# Altium PCB RK_NVR_DEMO1_RK3588_LP4XD200P232SD8_V21_20211228_final_lint.PcbDoc (part 1 of 29) (continued)
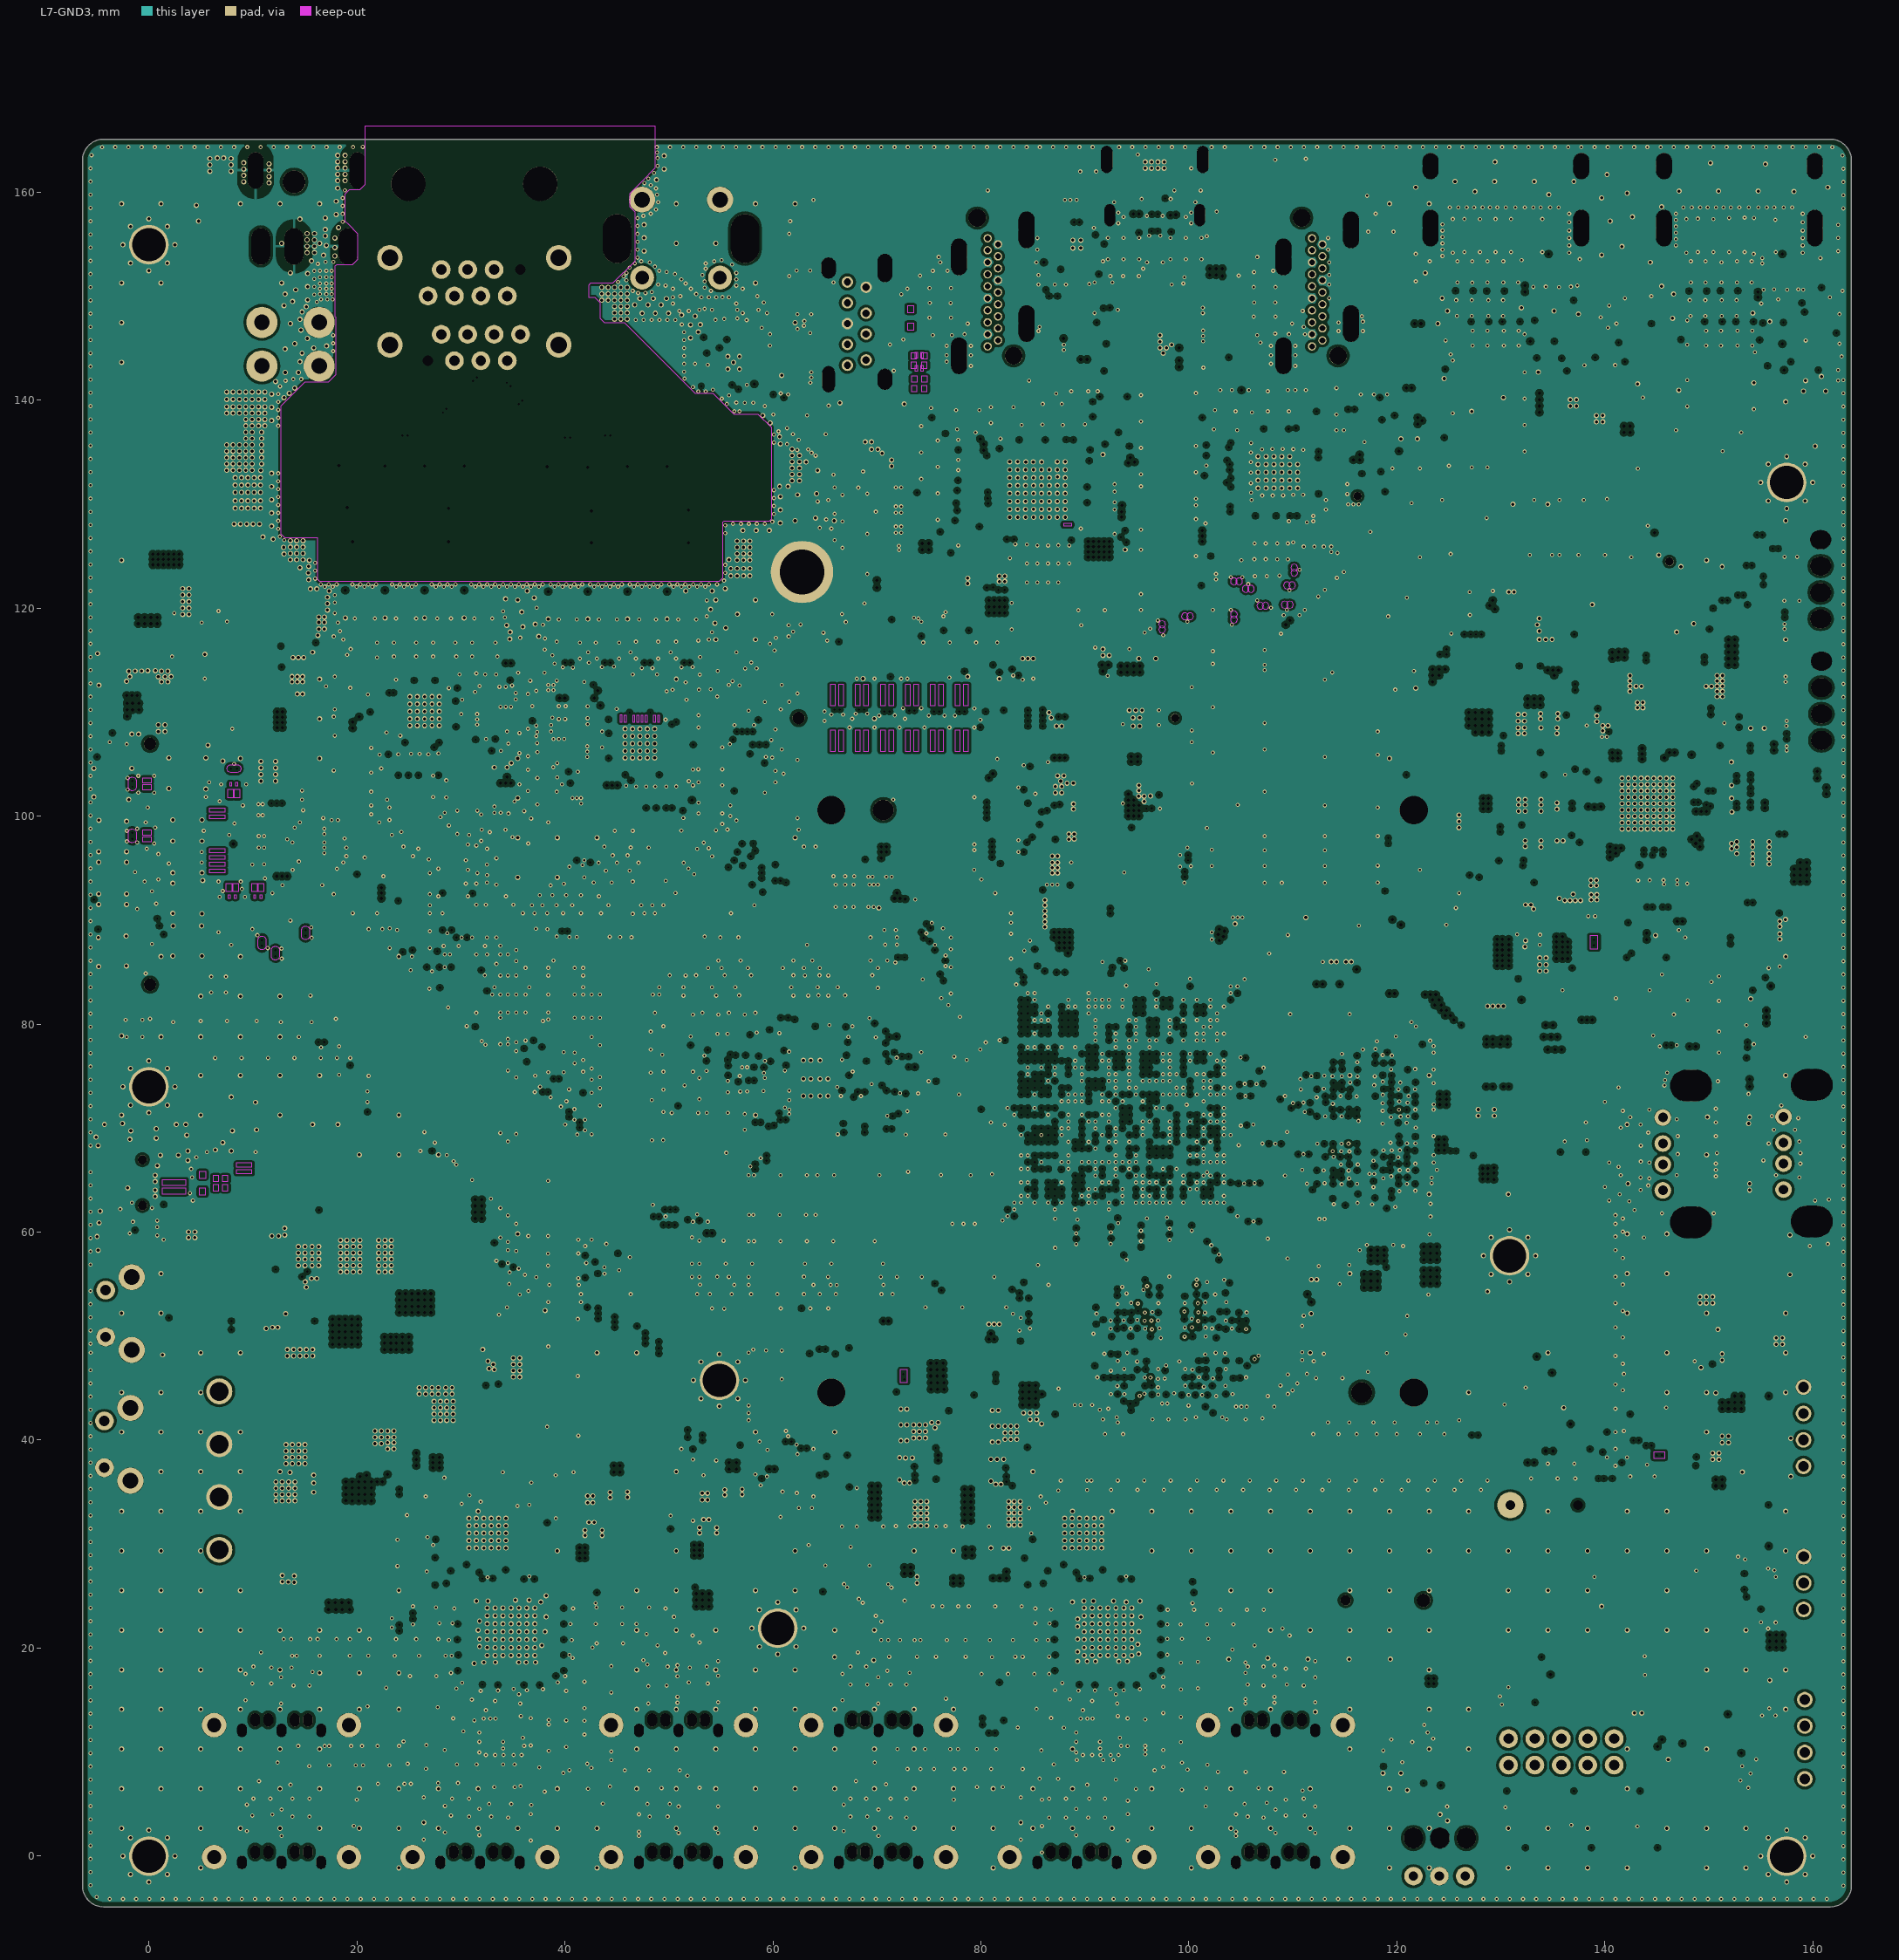
[diagram p7: L7-GND3]

## Layer stack, top to bottom
Top Solder: solder mask 0.0102, Solder Resist, Dk 3.5
TOP: signal copper 0.0305
Dielectric 1: core 0.0533, FR-4, Dk 4
L2-GND1: signal copper 0.016
Dielectric2: core 0.254, FR-4, Dk 4.2
L3-POWER1: signal copper 0.016
Dielectric3: core 0.635, FR-4, Dk 4
L4-S1: signal copper 0.016
Dielectric4: core 0.635, FR-4, Dk 4.2
L5-GND2: signal copper 0.016
Dielectric5: core 0.0762, FR-4, Dk 4
L6-S2: signal copper 0.016
Dielectric6: core 0.254, FR-4, Dk 4.2
L7-GND3: signal copper 0.016
Dielectric7: core 0.0533, FR-4, Dk 4
BOTTOM: signal copper 0.0305
Bottom Solder: solder mask 0.0102, Solder Resist, Dk 3.5

## Board outline
163.696,-2.849 cw(c161.664,-2.849) 161.664,-4.881 -4.35,-4.881 cw(c-4.35,-2.849) -6.382,-2.849 -6.382,163.063 cw(c-4.35,163.063) -4.35,165.095 161.664,165.095 cw(c161.664,163.063) 163.696,163.063

## Design rules (kind name [scope] priority, off if disabled: settings)
Clearance [All] p1: gap=0.254 ignorepadtopadclearanceinfootprint=FALSE
DiffPairsRouting [All] p1: maxlimit=0.254 minlimit=0.254 mostfreqgap=0.254 toplayer_minwidth=0.381 toplayer_maxwidth=0.381 toplayer_prefwidth=0.381 midlayer1_minwidth=0.381 midlayer1_maxwidth=0.381 midlayer1_prefwidth=0.381 midlayer2_minwidth=0.381 midlayer2_maxwidth=0.381 midlayer2_prefwidth=0.381 midlayer3_minwidth=0.381 midlayer3_maxwidth=0.381 midlayer3_prefwidth=0.381 midlayer4_minwidth=0.381 midlayer4_maxwidth=0.381 midlayer4_prefwidth=0.381 midlayer5_minwidth=0.381 midlayer5_maxwidth=0.381 midlayer5_prefwidth=0.381 midlayer6_minwidth=0.381 midlayer6_maxwidth=0.381 midlayer6_prefwidth=0.381 bottomlayer_minwidth=0.381 bottomlayer_maxwidth=0.381 bottomlayer_prefwidth=0.381 maxuncoupledlength=12.7
PlaneConnect [All] p1: planeconnectstyle=Direct reliefexpansion=0.508 reliefentries=4 reliefconductorwidth=0.254 reliefairgap=0.254
PolygonConnect [All] p1: connectstyle=Direct reliefconductorwidth=0.254 reliefentries=4 polygonreliefangle="90 Angle" airgapwidth=0.254
RoutingVias [All] p1: holewidth=0.711 width=1.27 viastyle="Through Hole" minholewidth=0.711 minwidth=1.27 maxholewidth=0.711 maxwidth=1.27
SolderMaskExpansion [All] p1: expansion=0.102 istentingtop=FALSE
Width [All] p1: maxlimit=0.254 minlimit=0.254 preferedwidth=0.254 impedanceprofiledriven=TRUE minimp=71.790000 maximp=96.310000 favimp=43.500000
28 further rules are at their usual default settings.

## Classes and differential pairs
net class GND: GND
net class DDR_DQS: DDR_CH0_DQS0N_A DDR_CH0_DQS0N_B DDR_CH0_DQS0P_A DDR_CH0_DQS0P_B DDR_CH0_DQS1N_A DDR_CH0_DQS1N_B DDR_CH0_DQS1P_A DDR_CH0_DQS1P_B DDR_CH1_DQS0N_C DDR_CH1_DQS0N_D DDR_CH1_DQS0P_C DDR_CH1_DQS0P_D DDR_CH1_DQS1N_C DDR_CH1_DQS1N_D DDR_CH1_DQS1P_C DDR_CH1_DQS1P_D
net class DDR-DIFF: DDR_CH0_CLKN_A DDR_CH0_CLKN_B DDR_CH0_CLKP_A DDR_CH0_CLKP_B DDR_CH1_CLKN_C DDR_CH1_CLKN_D DDR_CH1_CLKP_C DDR_CH1_CLKP_D
net class DDR: DDR_CH0_A0_A DDR_CH0_A0_B DDR_CH0_A1_A DDR_CH0_A1_B DDR_CH0_A2_A DDR_CH0_A2_B DDR_CH0_A3_A DDR_CH0_A3_B DDR_CH0_A4_A DDR_CH0_A4_B DDR_CH0_A5_A DDR_CH0_A5_B DDR_CH0_DM0_A DDR_CH0_DM0_B DDR_CH0_DM1_A DDR_CH0_DM1_B DDR_CH0_DQ0_A DDR_CH0_DQ0_B DDR_CH0_DQ1_A DDR_CH0_DQ1_B DDR_CH0_DQ2_A DDR_CH0_DQ2_B DDR_CH0_DQ3_A DDR_CH0_DQ3_B DDR_CH0_DQ4_A DDR_CH0_DQ4_B DDR_CH0_DQ5_A DDR_CH0_DQ5_B DDR_CH0_DQ6_A DDR_CH0_DQ6_B DDR_CH0_DQ7_A DDR_CH0_DQ7_B DDR_CH0_DQ8_A DDR_CH0_DQ8_B DDR_CH0_DQ9_A DDR_CH0_DQ9_B DDR_CH0_DQ10_A DDR_CH0_DQ10_B DDR_CH0_DQ11_A DDR_CH0_DQ11_B DDR_CH0_DQ12_A DDR_CH0_DQ12_B DDR_CH0_DQ13_A DDR_CH0_DQ13_B DDR_CH0_DQ14_A DDR_CH0_DQ14_B DDR_CH0_DQ15_A DDR_CH0_DQ15_B DDR_CH0_LP4/4X_CKE0/LP5_CS0_A DDR_CH0_LP4/4X_CKE0/LP5_CS0_B DDR_CH0_LP4/4X_CKE1/LP5_CS1_A DDR_CH0_LP4/4X_CKE1/LP5_CS1_B DDR_CH0_LP4/4X_CS0_A DDR_CH0_LP4/4X_CS0_B DDR_CH0_LP4/4X_CS1_A DDR_CH0_LP4/4X_CS1_B DDR_CH1_A0_C DDR_CH1_A0_D DDR_CH1_A1_C DDR_CH1_A1_D DDR_CH1_A2_C DDR_CH1_A2_D DDR_CH1_A3_C DDR_CH1_A3_D DDR_CH1_A4_C DDR_CH1_A4_D DDR_CH1_A5_C DDR_CH1_A5_D DDR_CH1_DM0_C DDR_CH1_DM0_D DDR_CH1_DM1_C DDR_CH1_DM1_D DDR_CH1_DQ0_C DDR_CH1_DQ0_D DDR_CH1_DQ1_C DDR_CH1_DQ1_D DDR_CH1_DQ2_C DDR_CH1_DQ2_D DDR_CH1_DQ3_C DDR_CH1_DQ3_D DDR_CH1_DQ4_C DDR_CH1_DQ4_D DDR_CH1_DQ5_C DDR_CH1_DQ5_D DDR_CH1_DQ6_C DDR_CH1_DQ6_D DDR_CH1_DQ7_C DDR_CH1_DQ7_D DDR_CH1_DQ8_C DDR_CH1_DQ8_D DDR_CH1_DQ9_C DDR_CH1_DQ9_D DDR_CH1_DQ10_C DDR_CH1_DQ10_D DDR_CH1_DQ11_C DDR_CH1_DQ11_D DDR_CH1_DQ12_C DDR_CH1_DQ12_D DDR_CH1_DQ13_C DDR_CH1_DQ13_D DDR_CH1_DQ14_C DDR_CH1_DQ14_D DDR_CH1_DQ15_C DDR_CH1_DQ15_D DDR_CH1_LP4/4X_CKE0/LP5_CS0_C DDR_CH1_LP4/4X_CKE0/LP5_CS0_D DDR_CH1_LP4/4X_CKE1/LP5_CS1_C DDR_CH1_LP4/4X_CKE1/LP5_CS1_D DDR_CH1_LP4/4X_CS0_C DDR_CH1_LP4/4X_CS0_D DDR_CH1_LP4/4X_CS1_C DDR_CH1_LP4/4X_CS1_D DDR_RESET
differential pair USB30_2_SSTX: +USB30_HOST2_SSTXN -USB30_HOST2_SSTXP
differential pair USB30_2_SSRX: +USB30_HOST2_SSRXN -USB30_HOST2_SSRXP
differential pair USB30_2_SSTX: +USB30_2_SSTXP -USB30_HOST2_SSTXN
differential pair USB30_2_SSTX: +USB30_2_SSTXN -USB30_2_SSTXP
differential pair USB30_2_SSRX: +USB30_2_SSRXP -USB30_HOST2_SSRXN
differential pair USB30_2_SSRX: +USB30_2_SSRXN -USB30_2_SSRXP
differential pair USB20_HOST1D: +USB20_HOST1DM -USB20_HOST1DP
differential pair USB20_HOST1D: +USB20_HOST1_DP -USB20_HOST1DM
differential pair USB20_HOST1D: +USB20_HOST1_DM -USB20_HOST1_DP
differential pair USB20_HOST0D: +USB20_HOST0DM -USB20_HOST0DP
differential pair USB20_HOST0D: +USB20_HOST0_DP -USB20_HOST0DM
differential pair USB20_HOST0D: +USB20_HOST0_DM -USB20_HOST0_DP
differential pair TYPEC1_USB20_HOST_D: +TYPEC1_USB20_OTG_DM -TYPEC1_USB20_OTG_DP
differential pair TYPEC1_USB20_HOST_D: +TYPEC1_USB20_HOST_DP -TYPEC1_USB20_OTG_DM
differential pair TYPEC1_USB20_HOST_D: +TYPEC1_USB20_HOST_DM -TYPEC1_USB20_HOST_DP
differential pair TYPEC0_USB20_HOST_D: +TYPEC0_USB20_OTG_DM -TYPEC0_USB20_OTG_DP
differential pair TYPEC0_SSTX2: +TYPEC0_TX2N -TYPEC0_TX2P
differential pair TYPEC0_SSTX1: +TYPEC0_TX1N -TYPEC0_TX1P
differential pair TYPEC0_SSTX2: +TYPEC0_SSTX2P -TYPEC0_TX2N
differential pair TYPEC0_SSTX2: +TYPEC0_SSTX2N -TYPEC0_SSTX2P
differential pair TYPEC0_SSTX1: +TYPEC0_SSTX1P -TYPEC0_TX1N
differential pair TYPEC0_SSTX1: +TYPEC0_SSTX1N -TYPEC0_SSTX1P
differential pair TYPEC0_RX2: +TYPEC0_SSRX2N -TYPEC0_SSRX2P
differential pair TYPEC0_SSRX1: +TYPEC0_SSRX1N -TYPEC0_SSRX1P
differential pair DP55: +TYPEC0_SBU1/DP0_AUXP -TYPEC0_SBU2/DP0_AUXN
differential pair TYPEC0_RX2: +TYPEC0_RX2P -TYPEC0_SSRX2N
differential pair TYPEC0_RX2: +TYPEC0_RX2N -TYPEC0_RX2P
differential pair TYPEC0_SSRX1: +TYPEC0_RX1P -TYPEC0_SSRX1N
differential pair TYPEC0_SSRX1: +TYPEC0_RX1N -TYPEC0_RX1P
differential pair TYPEC0_USB20_HOST_D: +TYPEC0_DP -TYPEC0_USB20_OTG_DM
differential pair TYPEC0_USB20_HOST_D: +TYPEC0_DM -TYPEC0_DP
differential pair DP32: +SATAPM1_TXP_4 -SATAPM1_TXP4
differential pair DP31: +SATAPM1_TXP_3 -SATAPM1_TXP3
differential pair DP30: +SATAPM1_TXP_2 -SATAPM1_TXP2
differential pair DP29: +SATAPM1_TXP_1 -SATAPM1_TXP1
differential pair DP28: +SATAPM1_TXP_0 -SATAPM1_TXP0
differential pair DP33: +SATAPM1_TXN5 -SATAPM1_TXP5
differential pair DP32: +SATAPM1_TXN4 -SATAPM1_TXP_4
differential pair DP31: +SATAPM1_TXN3 -SATAPM1_TXP_3
differential pair DP30: +SATAPM1_TXN2 -SATAPM1_TXP_2
differential pair DP29: +SATAPM1_TXN1 -SATAPM1_TXP_1
differential pair DP28: +SATAPM1_TXN0 -SATAPM1_TXP_0
differential pair DP32: +SATAPM1_TXN_4 -SATAPM1_TXN4
differential pair DP31: +SATAPM1_TXN_3 -SATAPM1_TXN3
differential pair DP30: +SATAPM1_TXN_2 -SATAPM1_TXN2
differential pair DP29: +SATAPM1_TXN_1 -SATAPM1_TXN1
differential pair DP28: +SATAPM1_TXN_0 -SATAPM1_TXN0
differential pair DP26: +SATAPM1_RXP_4 -SATAPM1_RXP4
differential pair DP23: +SATAPM1_RXP_3 -SATAPM1_RXP3
differential pair DP22: +SATAPM1_RXP_2 -SATAPM1_RXP2
differential pair DP21: +SATAPM1_RXP_1 -SATAPM1_RXP1
differential pair DP20: +SATAPM1_RXP_0 -SATAPM1_RXP0
differential pair DP27: +SATAPM1_RXN5 -SATAPM1_RXP5
differential pair DP26: +SATAPM1_RXN4 -SATAPM1_RXP_4
differential pair DP23: +SATAPM1_RXN3 -SATAPM1_RXP_3
differential pair DP22: +SATAPM1_RXN2 -SATAPM1_RXP_2
differential pair DP21: +SATAPM1_RXN1 -SATAPM1_RXP_1
differential pair DP20: +SATAPM1_RXN0 -SATAPM1_RXP_0
differential pair DP26: +SATAPM1_RXN_4 -SATAPM1_RXN4
differential pair DP23: +SATAPM1_RXN_3 -SATAPM1_RXN3
differential pair DP22: +SATAPM1_RXN_2 -SATAPM1_RXN2
differential pair DP21: +SATAPM1_RXN_1 -SATAPM1_RXN1
differential pair DP20: +SATAPM1_RXN_0 -SATAPM1_RXN0
differential pair DP18: +SATAPM0_TXP_4 -SATAPM0_TXP4
differential pair DP17: +SATAPM0_TXP_3 -SATAPM0_TXP3
differential pair DP16: +SATAPM0_TXP_2 -SATAPM0_TXP2
differential pair DP15: +SATAPM0_TXP_1 -SATAPM0_TXP1
differential pair DP14: +SATAPM0_TXP_0 -SATAPM0_TXP0
differential pair DP19: +SATAPM0_TXN5 -SATAPM0_TXP5
differential pair DP18: +SATAPM0_TXN4 -SATAPM0_TXP_4
differential pair DP17: +SATAPM0_TXN3 -SATAPM0_TXP_3
differential pair DP16: +SATAPM0_TXN2 -SATAPM0_TXP_2
differential pair DP15: +SATAPM0_TXN1 -SATAPM0_TXP_1
differential pair DP14: +SATAPM0_TXN0 -SATAPM0_TXP_0
differential pair DP18: +SATAPM0_TXN_4 -SATAPM0_TXN4
differential pair DP17: +SATAPM0_TXN_3 -SATAPM0_TXN3
differential pair DP16: +SATAPM0_TXN_2 -SATAPM0_TXN2
differential pair DP15: +SATAPM0_TXN_1 -SATAPM0_TXN1
differential pair DP14: +SATAPM0_TXN_0 -SATAPM0_TXN0
differential pair DP11: +SATAPM0_RXP_4 -SATAPM0_RXP4
differential pair DP6: +SATAPM0_RXP_3 -SATAPM0_RXP3
differential pair DP4: +SATAPM0_RXP_2 -SATAPM0_RXP2
differential pair DP2: +SATAPM0_RXP_1 -SATAPM0_RXP1
differential pair DP1: +SATAPM0_RXP_0 -SATAPM0_RXP0
differential pair DP13: +SATAPM0_RXN5 -SATAPM0_RXP5
differential pair DP11: +SATAPM0_RXN4 -SATAPM0_RXP_4
differential pair DP6: +SATAPM0_RXN3 -SATAPM0_RXP_3
differential pair DP4: +SATAPM0_RXN2 -SATAPM0_RXP_2
differential pair DP2: +SATAPM0_RXN1 -SATAPM0_RXP_1
differential pair DP1: +SATAPM0_RXN0 -SATAPM0_RXP_0
differential pair DP11: +SATAPM0_RXN_4 -SATAPM0_RXN4
differential pair DP6: +SATAPM0_RXN_3 -SATAPM0_RXN3
differential pair DP4: +SATAPM0_RXN_2 -SATAPM0_RXN2
differential pair DP2: +SATAPM0_RXN_1 -SATAPM0_RXN1
differential pair DP1: +SATAPM0_RXN_0 -SATAPM0_RXN0
differential pair SATA30_1_TX: +SATA30_1_TXN -SATA30_1_TXP
differential pair SATA30_1_RX: +SATA30_1_RXN -SATA30_1_RXP
differential pair SATA30_0_TX: +SATA30_0_TXN -SATA30_0_TXP
differential pair SATA30_0_RX: +SATA30_0_RXN -SATA30_0_RXP
differential pair DP25: +PI6C_05_CLK3N -PI6C_05_CLK3P
differential pair DP24: +PI6C_05_CLK2N -PI6C_05_CLK2P
differential pair PI6C_05_CLK0: +PI6C_05_CLK0N -PI6C_05_CLK0P
differential pair PHY1_MDI3: +PHY1_MDI3- -PHY1_MDI3+
differential pair PHY1_MDI2: +PHY1_MDI2- -PHY1_MDI2+
differential pair PHY1_MDI1: +PHY1_MDI1- -PHY1_MDI1+
differential pair PHY1_MDI0: +PHY1_MDI0- -PHY1_MDI0+
differential pair PHY1_MDI3: +PHY1_MDI_3+ -PHY1_MDI3-
differential pair PHY1_MDI3: +PHY1_MDI_3- -PHY1_MDI_3+
differential pair PHY1_MDI2: +PHY1_MDI_2+ -PHY1_MDI2-
differential pair PHY1_MDI2: +PHY1_MDI_2- -PHY1_MDI_2+
differential pair PHY1_MDI1: +PHY1_MDI_1+ -PHY1_MDI1-
differential pair PHY1_MDI1: +PHY1_MDI_1- -PHY1_MDI_1+
differential pair PHY1_MDI0: +PHY1_MDI_0+ -PHY1_MDI0-
differential pair PHY1_MDI0: +PHY1_MDI_0- -PHY1_MDI_0+
differential pair PHY0_MDI3: +PHY0_MDI3- -PHY0_MDI3+
differential pair PHY0_MDI2: +PHY0_MDI2- -PHY0_MDI2+
differential pair PHY0_MDI1: +PHY0_MDI1- -PHY0_MDI1+
differential pair PHY0_MDI0: +PHY0_MDI0- -PHY0_MDI0+
differential pair PHY0_MDI3: +PHY0_MDI_3+ -PHY0_MDI3-
differential pair PHY0_MDI3: +PHY0_MDI_3- -PHY0_MDI_3+
differential pair PHY0_MDI2: +PHY0_MDI_2+ -PHY0_MDI2-
differential pair PHY0_MDI2: +PHY0_MDI_2- -PHY0_MDI_2+
differential pair PHY0_MDI1: +PHY0_MDI_1+ -PHY0_MDI1-
differential pair PHY0_MDI1: +PHY0_MDI_1- -PHY0_MDI_1+
differential pair PHY0_MDI0: +PHY0_MDI_0+ -PHY0_MDI0-
differential pair PHY0_MDI0: +PHY0_MDI_0- -PHY0_MDI_0+
differential pair PI6C_05_CLK0: +PCIE30X4_REFCLKP_CON -PI6C_05_CLK0N
differential pair PI6C_05_CLK0: +PCIE30X4_REFCLKN_CON -PCIE30X4_REFCLKP_CON
differential pair PCIE30_PORT1_TX3: +PCIE30_TX3_N -PCIE30_TX3_P
differential pair PCIE30_PORT1_TX2: +PCIE30_TX2_N -PCIE30_TX2_P
differential pair PCIE30_PORT0_TX1: +PCIE30_TX1_N -PCIE30_TX1_P
differential pair PCIE30_PORT0_TX0: +PCIE30_TX0_N -PCIE30_TX0_P
differential pair PCIE30_PORT1_TX3: +PCIE30_PORT1_TX3P -PCIE30_TX3_N
differential pair PCIE30_PORT1_TX3: +PCIE30_PORT1_TX3N -PCIE30_PORT1_TX3P
differential pair PCIE30_PORT1_TX2: +PCIE30_PORT1_TX2P -PCIE30_TX2_N
differential pair PCIE30_PORT1_TX2: +PCIE30_PORT1_TX2N -PCIE30_PORT1_TX2P
differential pair PCIE30_PORT1_RX3: +PCIE30_PORT1_RX3N -PCIE30_PORT1_RX3P
differential pair PCIE30_PORT1_RX2: +PCIE30_PORT1_RX2N -PCIE30_PORT1_RX2P
differential pair DP25: +PCIE30_PORT1_REFCLKP_IN -PI6C_05_CLK3N
differential pair DP25: +PCIE30_PORT1_REFCLKN_IN -PCIE30_PORT1_REFCLKP_IN
differential pair PCIE30_PORT0_TX1: +PCIE30_PORT0_TX1P -PCIE30_TX1_N
differential pair PCIE30_PORT0_TX1: +PCIE30_PORT0_TX1N -PCIE30_PORT0_TX1P
differential pair PCIE30_PORT0_TX0: +PCIE30_PORT0_TX0P -PCIE30_TX0_N
differential pair PCIE30_PORT0_TX0: +PCIE30_PORT0_TX0N -PCIE30_PORT0_TX0P
differential pair PCIE30_PORT0_RX1: +PCIE30_PORT0_RX1N -PCIE30_PORT0_RX1P
differential pair PCIE30_PORT0_RX0: +PCIE30_PORT0_RX0N -PCIE30_PORT0_RX0P
differential pair DP24: +PCIE30_PORT0_REFCLKP_IN -PI6C_05_CLK2N
differential pair DP24: +PCIE30_PORT0_REFCLKN_IN -PCIE30_PORT0_REFCLKP_IN
differential pair USB20_HOST1D: +N16185540 -USB20_HOST1_DM
differential pair USB20_HOST1D: +N16185534 -N16185540
differential pair TYPEC1_USB20_HOST_D: +N16185436 -TYPEC1_USB20_HOST_DM
differential pair TYPEC1_USB20_HOST_D: +N16185430 -N16185436
differential pair TYPEC0_USB20_HOST_D: +N16183296 -TYPEC0_DM
differential pair TYPEC0_USB20_HOST_D: +N16183282 -N16183296
differential pair USB20_HOST0D: +N15183044 -USB20_HOST0_DM
differential pair USB20_HOST0D: +N15183032 -N15183044
differential pair L3D: +MIPI_DPHY1_TX_D3N -MIPI_DPHY1_TX_D3P
differential pair L2D: +MIPI_DPHY1_TX_D2N -MIPI_DPHY1_TX_D2P
differential pair L1D: +MIPI_DPHY1_TX_D1N -MIPI_DPHY1_TX_D1P
differential pair L0D: +MIPI_DPHY1_TX_D0N -MIPI_DPHY1_TX_D0P
differential pair MIPI_DPHY1_TX_CLK: +MIPI_DPHY1_TX_CLKN -MIPI_DPHY1_TX_CLKP
differential pair MIPI_CSI1_D3: +MIPI_CSI1_RX_D3N -MIPI_CSI1_RX_D3P
differential pair MIPI_CSI1_D2: +MIPI_CSI1_RX_D2N -MIPI_CSI1_RX_D2P
differential pair MIPI_CSI0_D1: +MIPI_CSI1_RX_D1N -MIPI_CSI1_RX_D1P
differential pair MIPI_CSI0_D0: +MIPI_CSI1_RX_D0N -MIPI_CSI1_RX_D0P
differential pair MIPI_CSI0_CLK1: +MIPI_CSI1_RX_CLK1N -MIPI_CSI1_RX_CLK1P
differential pair MIPI_CSI0_CLK0: +MIPI_CSI1_RX_CLK0N -MIPI_CSI1_RX_CLK0P
differential pair MIPI_CSI0_D3: +MIPI_CSI0_RX_D3N -MIPI_CSI0_RX_D3P
differential pair MIPI_CSI0_D2: +MIPI_CSI0_RX_D2N -MIPI_CSI0_RX_D2P
differential pair DP41: +MIPI_CSI0_RX_D1N -MIPI_CSI0_RX_D1P
differential pair DP39: +MIPI_CSI0_RX_D0N -MIPI_CSI0_RX_D0P
differential pair DP38: +MIPI_CSI0_RX_CLK1N -MIPI_CSI0_RX_CLK1P
differential pair DP37: +MIPI_CSI0_RX_CLK0N -MIPI_CSI0_RX_CLK0P
differential pair LAN1_D: +LAN1_D- -LAN1_D+
differential pair LAN1_C: +LAN1_C- -LAN1_C+
differential pair LAN1_B: +LAN1_B- -LAN1_B+
differential pair LAN1_A: +LAN1_A- -LAN1_A+
differential pair LAN0_D: +LAN0_D- -LAN0_D+
differential pair LAN0_C: +LAN0_C- -LAN0_C+
differential pair LAN0_B: +LAN0_B- -LAN0_B+
differential pair LAN0_A: +LAN0_A- -LAN0_A+
differential pair L3D: +L3DP -MIPI_DPHY1_TX_D3N
differential pair L3D: +L3DN -L3DP
differential pair L2D: +L2DP -MIPI_DPHY1_TX_D2N
differential pair L2D: +L2DN -L2DP
differential pair L1D: +L1DP -MIPI_DPHY1_TX_D1N
differential pair L1D: +L1DN -L1DP
differential pair L0D: +L0DP -MIPI_DPHY1_TX_D0N
differential pair L0D: +L0DN -L0DP
differential pair DP56: +HDMI3_TXCP -HDMI3_TXCP_PORT
differential pair DP56: +HDMI3_TXCN_PORT -HDMI3_TXCP
differential pair DP56: +HDMI3_TXCN -HDMI3_TXCN_PORT
differential pair DP54: +HDMI3_TX2P -HDMI3_TX2P_PORT
differential pair DP54: +HDMI3_TX2N_PORT -HDMI3_TX2P
differential pair DP54: +HDMI3_TX2N -HDMI3_TX2N_PORT
differential pair DP43: +HDMI3_TX1P -HDMI3_TX1P_PORT
differential pair DP43: +HDMI3_TX1N_PORT -HDMI3_TX1P
differential pair DP43: +HDMI3_TX1N -HDMI3_TX1N_PORT
differential pair DP42: +HDMI3_TX0P -HDMI3_TX0P_PORT
differential pair DP42: +HDMI3_TX0N_PORT -HDMI3_TX0P
differential pair DP42: +HDMI3_TX0N -HDMI3_TX0N_PORT
differential pair HDMI2_TXC: +HDMI2_TXCP -HDMI2_TXCP_PORT
differential pair HDMI2_TXC: +HDMI2_TXCN_PORT -HDMI2_TXCP
differential pair HDMI2_TXC: +HDMI2_TXCN -HDMI2_TXCN_PORT
differential pair DP36: +HDMI2_TX2P -HDMI2_TX2P_PORT
differential pair DP36: +HDMI2_TX2N_PORT -HDMI2_TX2P
differential pair DP36: +HDMI2_TX2N -HDMI2_TX2N_PORT
differential pair DP35: +HDMI2_TX1P -HDMI2_TX1P_PORT
differential pair DP35: +HDMI2_TX1N_PORT -HDMI2_TX1P
differential pair DP35: +HDMI2_TX1N -HDMI2_TX1N_PORT
differential pair DP34: +HDMI2_TX0P -HDMI2_TX0P_PORT
differential pair DP34: +HDMI2_TX0N_PORT -HDMI2_TX0P
differential pair DP34: +HDMI2_TX0N -HDMI2_TX0N_PORT
differential pair DP10: +HDMI1_TX3P_PORT -HDMI1_TX3P_PORT/EDP1_TX_D3P
differential pair DP10: +HDMI1_TX3N_PORT/EDP1_TX_D3N -HDMI1_TX3P_PORT
differential pair DP10: +HDMI1_TX3N_PORT -HDMI1_TX3N_PORT/EDP1_TX_D3N
differential pair DP9: +HDMI1_TX2P_PORT -HDMI1_TX2P_PORT/EDP1_TX_D2P
differential pair DP9: +HDMI1_TX2N_PORT/EDP1_TX_D2N -HDMI1_TX2P_PORT
differential pair DP9: +HDMI1_TX2N_PORT -HDMI1_TX2N_PORT/EDP1_TX_D2N
differential pair DP8: +HDMI1_TX1P_PORT -HDMI1_TX1P_PORT/EDP1_TX_D1P
differential pair DP8: +HDMI1_TX1N_PORT/EDP1_TX_D1N -HDMI1_TX1P_PORT
differential pair DP8: +HDMI1_TX1N_PORT -HDMI1_TX1N_PORT/EDP1_TX_D1N
differential pair HDMI1_TX0_PORT: +HDMI1_TX0P_PORT -HDMI1_TX0P_PORT/EDP1_TX_D0P
differential pair HDMI1_TX0_PORT: +HDMI1_TX0N_PORT/EDP1_TX_D0N -HDMI1_TX0P_PORT
differential pair HDMI1_TX0_PORT: +HDMI1_TX0N_PORT -HDMI1_TX0N_PORT/EDP1_TX_D0N
differential pair DP7: +HDMI0_TX3P_PORT -HDMI0_TX3P_PORT/EDP0_TX_D3P
differential pair DP7: +HDMI0_TX3N_PORT/EDP0_TX_D3N -HDMI0_TX3P_PORT
differential pair DP7: +HDMI0_TX3N_PORT -HDMI0_TX3N_PORT/EDP0_TX_D3N
differential pair DP5: +HDMI0_TX2P_PORT -HDMI0_TX2P_PORT/EDP0_TX_D2P
differential pair DP5: +HDMI0_TX2N_PORT/EDP0_TX_D2N -HDMI0_TX2P_PORT
differential pair DP5: +HDMI0_TX2N_PORT -HDMI0_TX2N_PORT/EDP0_TX_D2N
differential pair HDMI0_TX1_PORT: +HDMI0_TX1P_PORT -HDMI0_TX1P_PORT/EDP0_TX_D1P
differential pair HDMI0_TX1_PORT: +HDMI0_TX1N_PORT/EDP0_TX_D1N -HDMI0_TX1P_PORT
differential pair HDMI0_TX1_PORT: +HDMI0_TX1N_PORT -HDMI0_TX1N_PORT/EDP0_TX_D1N
differential pair DP3: +HDMI0_TX0P_PORT -HDMI0_TX0P_PORT/EDP0_TX_D0P
differential pair DP3: +HDMI0_TX0N_PORT/EDP0_TX_D0N -HDMI0_TX0P_PORT
differential pair DP3: +HDMI0_TX0N_PORT -HDMI0_TX0N_PORT/EDP0_TX_D0N
differential pair DP1TX3: +DP1TX3N -DP1TX3P
differential pair DP1TX2: +DP1TX2N -DP1TX2P
differential pair DP1TX1: +DP1TX1N -DP1TX1P
differential pair DP1TX0: +DP1TX0N -DP1TX0P
differential pair DP1AUX: +DP1AUXN -DP1AUXP
differential pair DP1TX3: +DP1_TX3P -DP1TX3N
differential pair DP1TX3: +DP1_TX3N -DP1_TX3P
differential pair DP1TX2: +DP1_TX2P -DP1TX2N
differential pair DP1TX2: +DP1_TX2N -DP1_TX2P
differential pair DP1TX1: +DP1_TX1P -DP1TX1N
differential pair DP1TX1: +DP1_TX1N -DP1_TX1P
differential pair DP1TX0: +DP1_TX0P -DP1TX0N
differential pair DP1TX0: +DP1_TX0N -DP1_TX0P
differential pair DP1AUX: +DP1_AUXP -DP1AUXN
differential pair DP1AUX: +DP1_AUXN -DP1_AUXP
differential pair DEBUG0_USBD: +DEBUG0_USBDM -DEBUG0_USBDP
differential pair DEBUG0_USBD: +DEBUG0_USB_DP -DEBUG0_USBDM
differential pair DEBUG0_USBD: +DEBUG0_USB_DM -DEBUG0_USB_DP
differential pair DP53: +DDR_CH1_DQS1N_D -DDR_CH1_DQS1P_D